# Altium PCB smoothieboard-alt.PcbDoc (part 3 of 3)
Units mm, origin at the board's own origin, x right, y up, seen from the top; angles counter-clockwise.
Board outline 129.67 x 105.03 mm, 4 copper layers (Top Layer, Layer 1, Layer 2, Bottom Layer), stack 1.876 mm thick; 360 components, 243 nets, 1161 pads, 133 vias.
Unrouted connection lines stored in the file: 613.
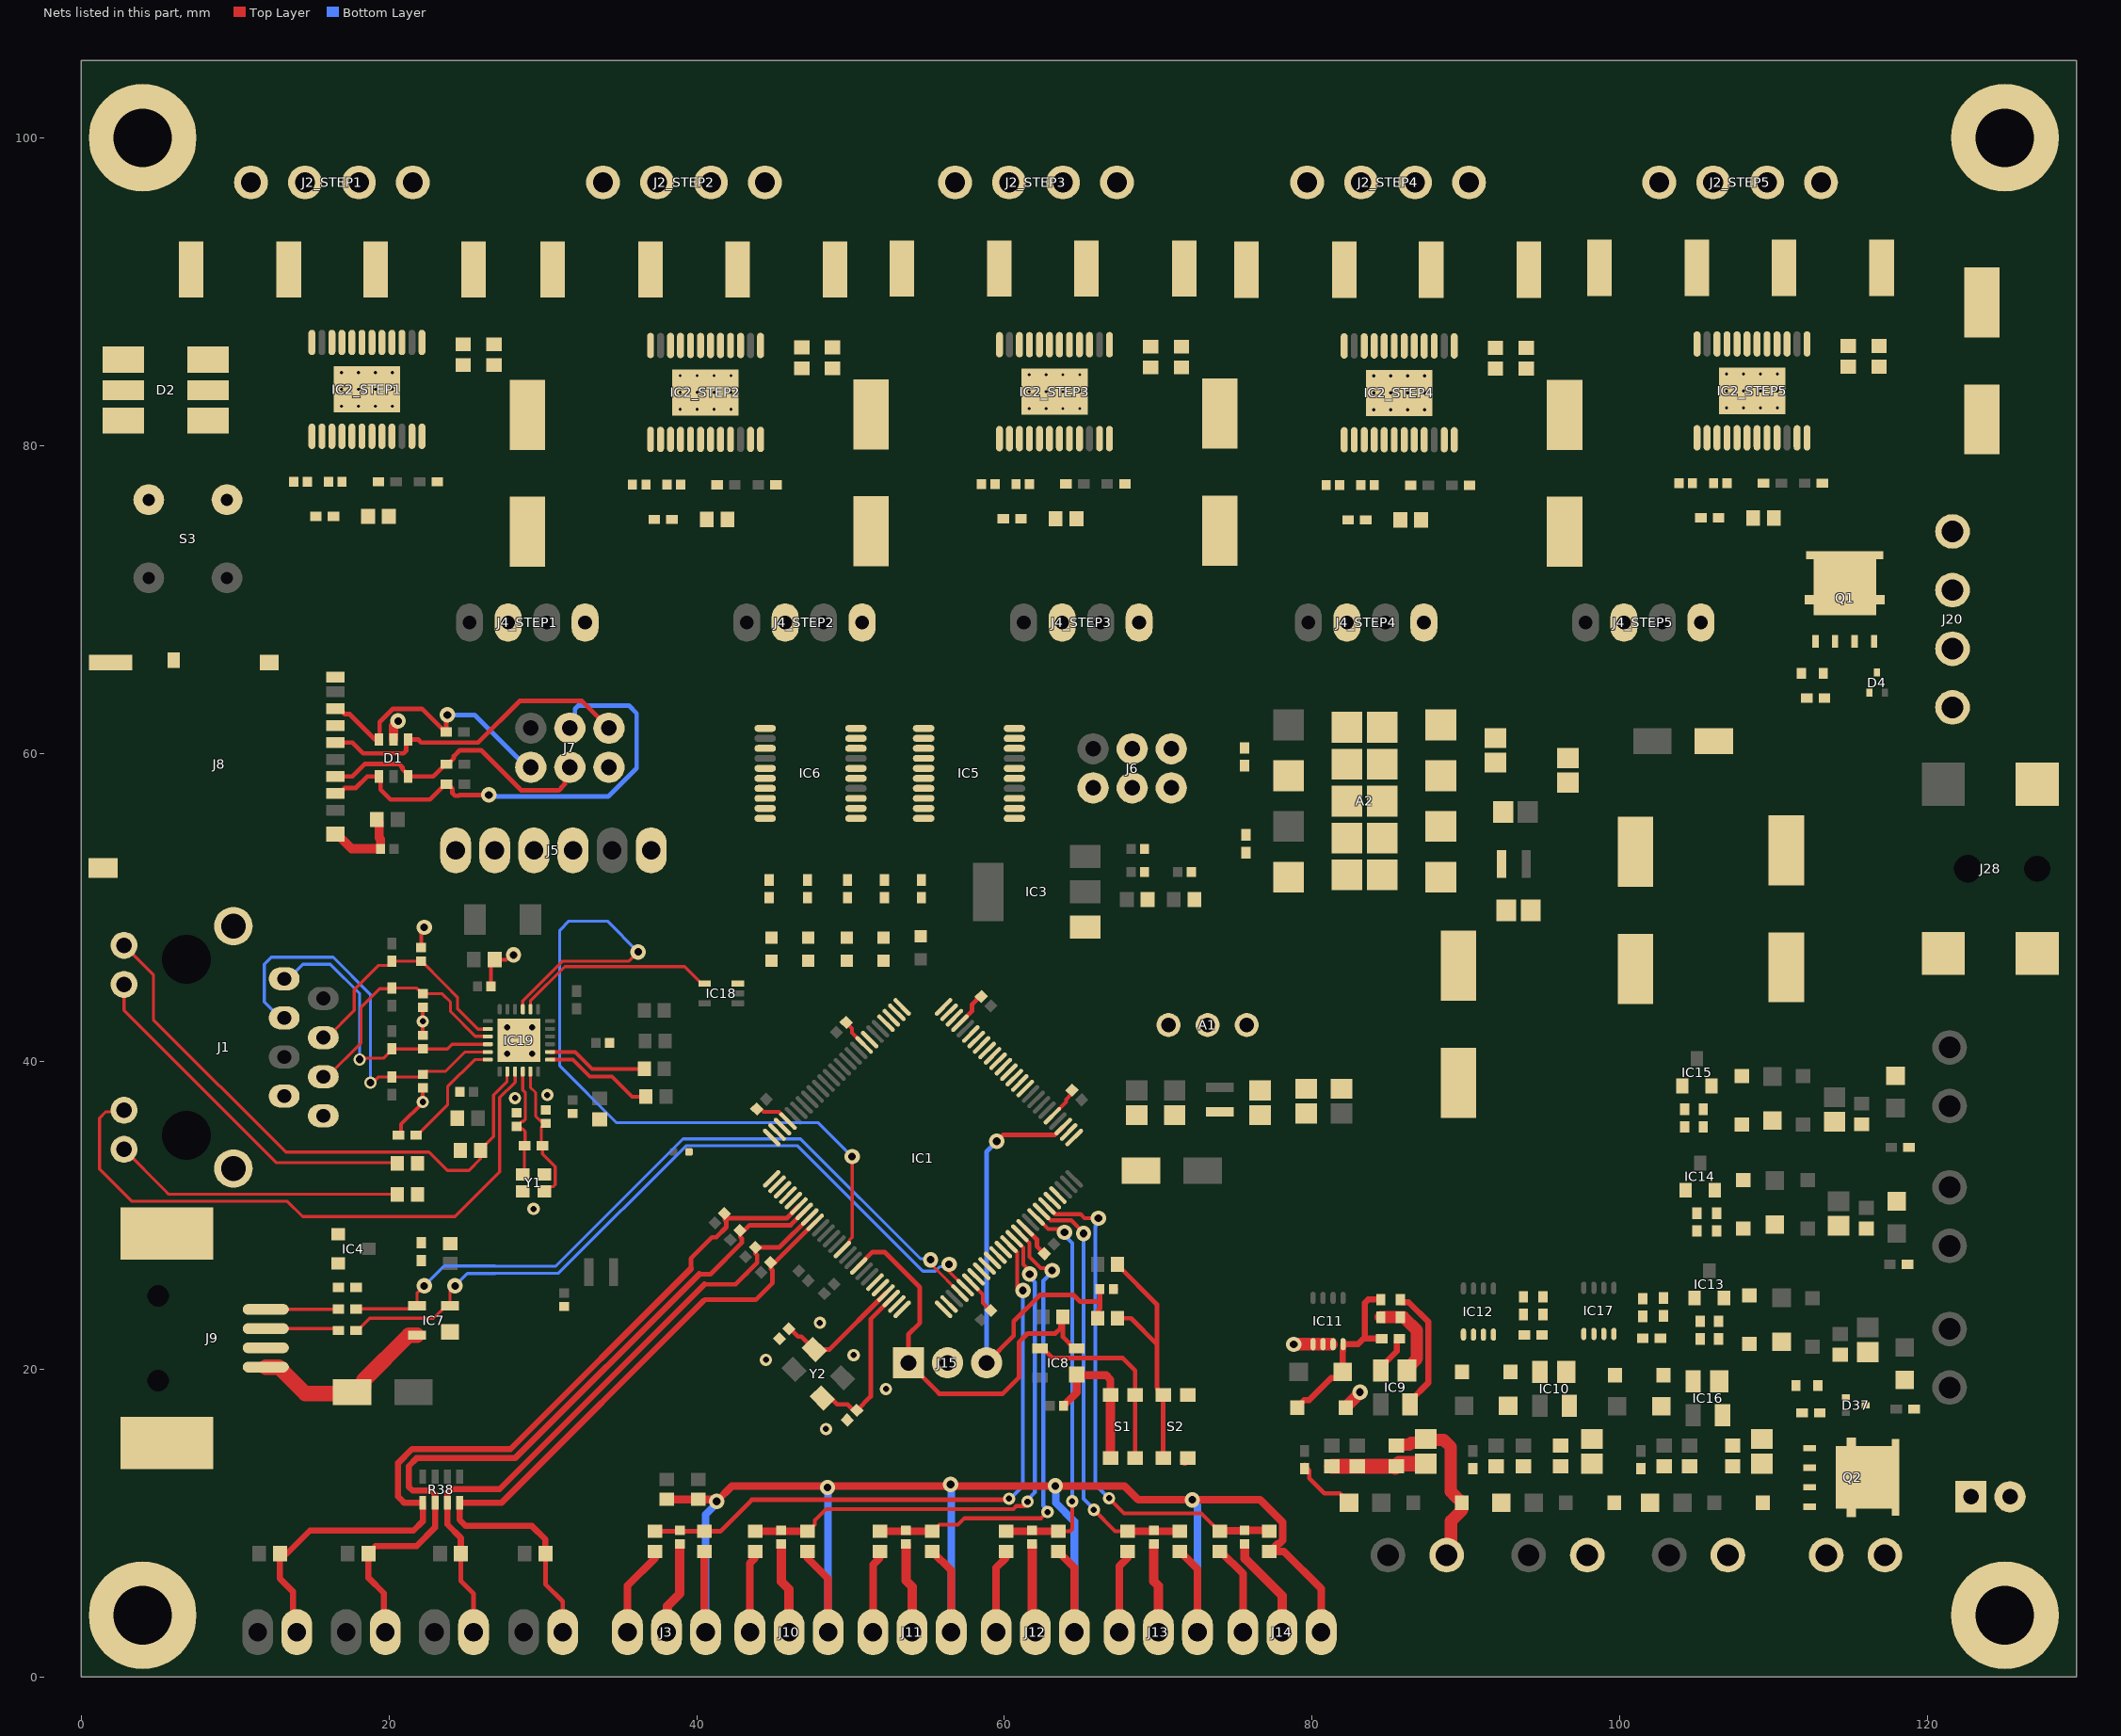
[diagram p4: the nets of this part, all layers, seen from the top]

## Via types
v1: diameter 0.5, hole 0.2, Top Layer to Bottom Layer, tented both sides, 60 vias
v2: diameter 1, hole 0.5, Top Layer to Bottom Layer, tented both sides, 45 vias
v3: diameter 0.8, hole 0.4, Top Layer to Bottom Layer, tented both sides, 26 vias
v4: diameter 0.8, hole 0.5, Top Layer to Bottom Layer, tented both sides, 2 vias

## Nets (pads, with @x,y where several pads share a name; then routed paths per layer and width w, separated by ;. In a path a pad name is that pad's centre, name@x,y a point inside that pad or via, vN(x,y) a via of type N, cw(c..) or ccw(c..) an arc to the next point about the centre after c; other vN are vias at no path point) (continued)
ISP_BOOT: C27.2 IC1.53 J15.3 R36.1 | length 31.3
  Top Layer w0.3: J15.3@58.84,20.4 60.6,22.16 60.6,23.1 62.3,24.8 64.5,24.8 64.925,24.375 66.2,24.375 ; v2(59.5,34.8) 59.92,35.22 63.291,35.22 IC1.53@63.822,35.751 ; R36.1@66.05,23.3 66.05,23.35 66.05,23.775 66.2,23.925 66.2,24.375 ; C27.2@66.2,25.2 66.2,25.18 66.2,24.375
  Bottom Layer w0.3: J15.3@58.84,20.4 58.84,34.116 59.5,34.776 v2(59.5,34.8)
JTAG-RTCK: IC1.100
JTAG-TCK: IC1.5
JTAG-TDI: IC1.2
JTAG-TDO: IC1.1
JTAG-TMS: IC1.3
JTAG-TRST: IC1.4
LED1: D2.4 D24.1 IC1.32
LED2: D2.6 D25.1 IC1.33
LED3: D26.1 IC1.34
LED4: D27.1 IC1.35
LIMITS.X_MAX: C21.2 IC1.39 R23.2 R24.1 | length 36.6
  Top Layer w0.25: R23.2@47.2,9.451 47.25,9.451 47.675,9.876 47.675,10.175 48.4,10.9 60.58,10.9 60.774,11.095 61.354,11.095 61.5,11.241 v3(61.5,11.375) ; IC1.39@60.64,28.467 60.64,28.459 61.216,27.883 61.216,26.786 61.636,26.367 v2(61.636,26.164)
  Top Layer w0.5: R24.1@43.8,9.451 45.5,9.451 46.725,9.451 R23.2@47.2,9.451
  Bottom Layer w0.25: v3(61.5,11.375) 61.5,11.521 61.975,11.996 61.975,25.622 61.636,25.961 v2(61.636,26.164)
LIMITS.X_MIN: C20.2 IC1.38 R21.2 R22.1 | length 41.4
  Top Layer w0.25: IC1.38@60.286,28.114 60.816,27.584 60.816,25.246 60.963,25.1 v2(61.2,25.1)
  Top Layer w0.3: R22.1@37.3,9.451 38.9,9.451 R21.2@40.5,9.451 41.538,9.451 43.587,11.5 60.225,11.5 v3(60.3,11.575)
  Bottom Layer w0.25: v3(60.3,11.575) 60.375,11.575 61.2,12.4 v2(61.2,25.1)
LIMITS.Y_MAX: C23.2 IC1.43 R27.2 R28.1 | length 26.1
  Top Layer w0.25: IC1.43@62.054,29.882 62.836,29.1 63.7,29.1 63.9,28.9 v2(63.9,28.883) ; R27.2@63.5,9.451 64.254,9.451 64.4,9.597 v3(64.4,11.4)
  Top Layer w0.5: R28.1@60.1,9.451 60.575,9.451 61.8,9.451 R27.2@63.5,9.451
  Bottom Layer w0.25: v2(63.9,28.883) 63.9,28.68 64.4,28.18 v3(64.4,11.4)
LIMITS.Y_MIN: C22.2 IC1.40 R25.2 R26.1 | length 31.1
  Top Layer w0.25: R25.2@55.3,9.451 55.35,9.451 55.775,9.876 56.976,9.876 57.4,10.3 62.379,10.3 62.779,10.7 v3(62.8,10.7) ; IC1.40@60.993,28.821 60.993,28.813 61.616,28.19 61.616,27.28 62.353,26.544 62.956,26.544 v2(63.1,26.4)
  Top Layer w0.5: R26.1@51.9,9.451 53.6,9.451 R25.2@55.3,9.451
  Bottom Layer w0.25: v3(62.8,10.7) 62.8,10.849 62.525,11.124 62.525,25.738 63.1,26.313 v2(63.1,26.4)
LIMITS.Z_MAX: C25.2 IC1.45 R31.2 R32.1 | length 33.7
  Top Layer w0.25: IC1.45@62.761,30.589 63.291,30.058 64.942,30.058 65.2,29.8 v2(66.1,29.8) ; v3(66.8,11.6) 67.778,10.622 72.778,10.622 73.95,9.45 R32.1@74,9.45
  Top Layer w0.5: R32.1@74,9.45 74.03,9.48 75.57,9.48 C25.2@75.6,9.51 77.14,9.51 R31.2@77.2,9.45
  Bottom Layer w0.25: v2(66.1,29.8) 65.956,29.656 65.956,29.322 65.913,29.279 65.913,12.487 v3(66.8,11.6)
LIMITS.Z_MIN: C24.2 IC1.44 R29.2 R30.1 | length 27.8
  Top Layer w0.25: IC1.44@62.407,30.235 62.416,30.235 62.992,29.658 64.342,29.658 65.138,28.862 v2(65.138,28.8) ; v3(65.8,10.85) 67.199,9.451 R30.1@68,9.451
  Top Layer w0.5: R30.1@68,9.451 69.62,9.451 69.63,9.461 C24.2@69.7,9.461 ; C24.2@69.7,9.451 R29.2@71.4,9.451
  Bottom Layer w0.25: v2(65.138,28.8) 65.138,11.571 65.8,10.909 v3(65.8,10.85)
MISO1: IC1.61 J6.4
MOSI1: IC1.60 J6.5
MS1: IC2_STEP1.5 IC2_STEP2.5 IC2_STEP3.5 IC2_STEP4.5 IC2_STEP5.5 R88.2
MS2: IC2_STEP1.6 IC2_STEP2.6 IC2_STEP3.6 IC2_STEP4.6 IC2_STEP5.6 R89.2
NetA1_1: A1.1 C80.2 L3.2
NetA1_3: A1.3 C72.2 D22.1
NetA2_2: A2.2 R79.2
NetA2_4: A2.4 R53.2
NetA2_5: A2.5 C81.2 L2.1
NetC8_1: C8.1 IC1.22 Y2.3 | length 8.6
  Top Layer w0.3: C8.1@46,22.6 46.102,22.6 46.595,22.106 46.802,22.106 Y2.3@47.723,21.185 ; Y2.3@47.635,21.273 Y2.3@47.723,21.185 ; IC1.22@52.296,24.932 48.637,21.273 48.342,21.273 48.254,21.185 Y2.3@47.723,21.185
NetC9_1: C9.1 IC1.23 Y2.1 | length 10.8
  Top Layer w0.3: Y2.1@48.165,18.127 48.695,18.127 49.122,17.7 49.81,17.7 50.199,17.311 C9.1@50.411,17.311 51.311,18.211 51.311,23.24 IC1.23@52.649,24.578
NetC13_STEP1_1: C13_STEP1.1 IC2_STEP1.3
NetC13_STEP2_1: C13_STEP2.1 IC2_STEP2.3
NetC13_STEP3_1: C13_STEP3.1 IC2_STEP3.3
NetC13_STEP4_1: C13_STEP4.1 IC2_STEP4.3
NetC13_STEP5_1: C13_STEP5.1 IC2_STEP5.3
NetC14_STEP1_2: C14_STEP1.2 IC2_STEP1.4
NetC14_STEP2_2: C14_STEP2.2 IC2_STEP2.4
NetC14_STEP3_2: C14_STEP3.2 IC2_STEP3.4
NetC14_STEP4_2: C14_STEP4.2 IC2_STEP4.4
NetC14_STEP5_2: C14_STEP5.2 IC2_STEP5.4
NetC15_STEP1_1: C15_STEP1.1 IC2_STEP1.2
NetC15_STEP1_2: C15_STEP1.2 IC2_STEP1.1
NetC15_STEP2_1: C15_STEP2.1 IC2_STEP2.2
NetC15_STEP2_2: C15_STEP2.2 IC2_STEP2.1
NetC15_STEP3_1: C15_STEP3.1 IC2_STEP3.2
NetC15_STEP3_2: C15_STEP3.2 IC2_STEP3.1
NetC15_STEP4_1: C15_STEP4.1 IC2_STEP4.2
NetC15_STEP4_2: C15_STEP4.2 IC2_STEP4.1
NetC15_STEP5_1: C15_STEP5.1 IC2_STEP5.2
NetC15_STEP5_2: C15_STEP5.2 IC2_STEP5.1
NetC42_1: C42.1 IC19.5 R81.2 Y1.1 | length 9.3
  Top Layer w0.2: IC19.5@29.2,39.325 29.2,38.3 29.538,37.962 29.538,36.428 29.876,36.09 29.95,36.09 30.08,35.96 C42.1@30.18,35.96 ; R81.2@29.975,34.5 R81.2@29.983,34.492 ; Y1.1@30.1,31.55 30.4,31.85 30.683,31.85 30.8,31.967 30.8,33.154 29.983,33.971 R81.2@29.983,34.492 ; C42.1@30.2,35.96 C42.1@30.18,35.96 ; R81.2@29.983,34.492 29.9,34.575 29.9,35.68 C42.1@30.18,35.96
NetC43_1: C43.1 IC19.4 R81.1 Y1.3 | length 7.3
  Top Layer w0.2: C43.1@28.3,35.76 28.32,35.76 28.42,35.86 28.65,36.09 28.724,36.09 28.87,36.236 28.87,37.949 28.7,38.119 IC19.4@28.7,39.325 ; C43.1@28.468,35.813 28.85,35.43 28.85,34.525 R81.1@28.8,34.475 ; Y1.3@28.7,32.65 28.8,32.75 R81.1@28.8,34.475 ; R81.1@28.825,34.5 R81.1@28.8,34.475
NetD2_1: D2.1 R75.2
NetD2_2: D2.2 R76.2
NetD2_3: D2.3 R77.2
NetD3_1: D3.1 D19.2 IC17.4 R64.2 R68.2
NetD4_1: D4.1 Q1.4 R52.2
NetD8_1: D8.1 R69.2 | length 4.2
  Top Layer w0.3: R69.2@79.502,13.776 79.502,13.701 79.802,13.401 79.802,12.908 80.791,11.919 81.789,11.919 D8.1@82.389,11.319
NetD9_1: D9.1 R70.2
NetD10_1: D10.1 R71.2
NetD11_1: D11.1 R72.2
NetD12_1: D12.1 R73.2
NetD13_1: D13.1 R74.2
NetD17_1: D17.1 D20.2 IC12.4 R55.2 R67.2
NetD18_1: D18.1 D23.2 IC11.4 R54.2 R66.2 | length 11.9
  Top Layer w0.4: D23.2@79.025,17.5 79.025,17.525 79.475,17.975 79.791,17.975 81.223,19.408 81.574,19.408 D18.1@81.974,19.808 81.974,21.187 82.001,21.214 IC11.4@82.001,21.614 82.97,21.614 83.327,21.971 ; R66.2@84.455,24.511 83.634,24.511 83.4,24.277 83.4,22.044 83.327,21.971 ; R54.2@84.515,21.971 83.327,21.971
NetD24_2: D24.2 R84.2
NetD25_2: D25.2 R85.2
NetD26_2: D26.2 R86.2
NetD27_2: D27.2 R87.2
NetD28_2: D28.2 R78.2
NetD31_1: D31.1 D34.2 IC13.1 R56.2 R61.2
NetD32_1: D32.1 D35.2 IC14.1 R57.2 R62.2
NetD33_1: D33.1 D36.2 IC15.1 R58.2 R63.2
NetD37_1: D37.1 Q2.4 R90.2
NetIC2_STEP1_7: IC2_STEP1.7 R3_STEP1.1
NetIC2_STEP1_8: IC2_STEP1.8 R5_STEP1.1
NetIC2_STEP1_9: IC2_STEP1.9 R4_STEP1.1
NetIC2_STEP1_17: IC2_STEP1.17 R1_STEP1.1
NetIC2_STEP1_20: IC2_STEP1.20 R2_STEP1.1
NetIC2_STEP2_7: IC2_STEP2.7 R3_STEP2.1
NetIC2_STEP2_8: IC2_STEP2.8 R5_STEP2.1
NetIC2_STEP2_9: IC2_STEP2.9 R4_STEP2.1
NetIC2_STEP2_17: IC2_STEP2.17 R1_STEP2.1
NetIC2_STEP2_20: IC2_STEP2.20 R2_STEP2.1
NetIC2_STEP3_7: IC2_STEP3.7 R3_STEP3.1
NetIC2_STEP3_8: IC2_STEP3.8 R5_STEP3.1
NetIC2_STEP3_9: IC2_STEP3.9 R4_STEP3.1
NetIC2_STEP3_17: IC2_STEP3.17 R1_STEP3.1
NetIC2_STEP3_20: IC2_STEP3.20 R2_STEP3.1
NetIC2_STEP4_7: IC2_STEP4.7 R3_STEP4.1
NetIC2_STEP4_8: IC2_STEP4.8 R5_STEP4.1
NetIC2_STEP4_9: IC2_STEP4.9 R4_STEP4.1
NetIC2_STEP4_17: IC2_STEP4.17 R1_STEP4.1
NetIC2_STEP4_20: IC2_STEP4.20 R2_STEP4.1
NetIC2_STEP5_7: IC2_STEP5.7 R3_STEP5.1
NetIC2_STEP5_8: IC2_STEP5.8 R5_STEP5.1
NetIC2_STEP5_9: IC2_STEP5.9 R4_STEP5.1
NetIC2_STEP5_17: IC2_STEP5.17 R1_STEP5.1
NetIC2_STEP5_20: IC2_STEP5.20 R2_STEP5.1
NetIC4_1: IC4.1 R14.2 R15.1
NetIC4_2: IC4.2 R35.2
NetIC5_1: IC5.1 IC5.10 IC5.11 IC5.20 R11.1
NetIC5_15: IC5.15 R8.1
NetIC6_1: IC6.1 IC6.10 IC6.11 IC6.20 R12.1
NetIC6_15: IC6.15 R13.1
NetIC8_3: IC8.3 S1.1 S1.2 | length 12.5
  Top Layer w0.3: IC8.3@62.3,21.35 62.475,21.35 63.1,20.725 67.667,20.725 68.491,19.901 S1.1@68.491,18.306 S1.2@68.491,14.206
NetIC9_2: IC9.2 R54.1 | length 2.6
  Top Layer w0.4: IC9.2@84.45,19.9 84.45,20.12 85.49,21.16 85.49,21.871 85.59,21.971 R54.1@85.665,21.971
NetIC10_2: IC10.2 R55.1
NetIC16_2: IC16.2 R64.1
NetIC19_2: IC19.2 J1.9 R49.1 | length 37.6
  Top Layer w0.2: J1.9@2.79,47.53 4.7,45.62 4.7,42.7 13.3,34.1 22.6,34.1 23.8,32.9 25.2,32.9 25.95,33.65 R49.1@25.95,34.2 25.95,34.25 26.8,35.1 26.8,37.8 27.679,38.679 27.679,39.304 IC19.2@27.7,39.325
NetIC19_3: IC19.3 J1.11 | length 40.5
  Top Layer w0.2: J1.11@2.79,36.81 2.695,36.715 1.615,36.715 1.2,36.3 1.2,33 3.304,30.896 13.404,30.896 14.4,29.9 24.3,29.9 27.2,32.8 27.2,37.634 28.2,38.634 IC19.3@28.2,39.325
NetIC19_24: IC19.24 R48.2 | length 7.4
  Top Layer w0.2: R48.2@21.775,35.2 21.85,35.2 23.815,37.165 23.815,38.335 25.581,40.1 IC19.24@26.425,40.1
NetJ1_10: J1.10 R80.1 | length 23.6
  Top Layer w0.2: J1.10@2.79,44.99 2.79,43.31 12.7,33.4 20.5,33.4 R80.1@20.55,33.35
NetJ1_12: J1.12 R51.1 | length 19
  Top Layer w0.2: J1.12@2.79,34.27 5.46,31.6 5.71,31.35 R51.1@20.55,31.35
NetJ3_3: J3.3 R22.2 | length 6
  Top Layer w0.5: J3.3@35.5,2.9 35.5,5.926 37.3,7.726 R22.2@37.3,8.151
NetJ5_3: J5.3 R82.2 R83.2
NetJ10_3: J10.3 R24.2 | length 5.4
  Top Layer w0.5: J10.3@43.46,2.9 43.46,7.386 43.8,7.726 R24.2@43.8,8.151
NetJ11_3: J11.3 R26.2 | length 5.4
  Top Layer w0.5: J11.3@51.46,2.9 51.46,7.286 51.9,7.726 R26.2@51.9,8.151
NetJ12_3: J12.3 R28.2 | length 5.5
  Top Layer w0.5: J12.3@59.46,2.9 59.46,7.086 60.1,7.726 R28.2@60.1,8.151
NetJ13_3: J13.3 R30.2 | length 5.5
  Top Layer w0.5: J13.3@67.46,2.9 67.46,7.186 68,7.726 R30.2@68,8.151
NetJ14_3: J14.3 R32.2 | length 5.9
  Top Layer w0.5: R32.2@74,8.15 74.05,8.15 75.5,6.7 J14.3@75.5,2.9
NetJ29_1: J29.1 Q2.5
NetR34_2: R34.2 R36.2 S2.3 S2.4 | length 17.1
  Top Layer w0.3: R36.2@67.35,23.3 68.225,23.3 69.9,21.625 ; R34.2@67.35,26.8 67.35,26.75 69.9,24.2 69.9,21.625 ; S2.4@70.32,14.206 70.32,17.356 S2.3@70.32,18.306 70.27,18.306 69.97,18.606 69.97,18.712 69.9,18.782 69.9,21.625
NetR37_2: R37.2 R50.2 S3.2
OUT1A_STEP1: C84_STEP1.1 D39_STEP1.1 IC2_STEP1.18 J2_STEP1.3
OUT1A_STEP2: C84_STEP2.1 D39_STEP2.1 IC2_STEP2.18 J2_STEP2.3
OUT1A_STEP3: C84_STEP3.1 D39_STEP3.1 IC2_STEP3.18 J2_STEP3.3
OUT1A_STEP4: C84_STEP4.1 D39_STEP4.1 IC2_STEP4.18 J2_STEP4.3
OUT1A_STEP5: C84_STEP5.1 D39_STEP5.1 IC2_STEP5.18 J2_STEP5.3
OUT1B_STEP1: C84_STEP1.2 D39_STEP1.2 IC2_STEP1.15 J2_STEP1.4
OUT1B_STEP2: C84_STEP2.2 D39_STEP2.2 IC2_STEP2.15 J2_STEP2.4
OUT1B_STEP3: C84_STEP3.2 D39_STEP3.2 IC2_STEP3.15 J2_STEP3.4
OUT1B_STEP4: C84_STEP4.2 D39_STEP4.2 IC2_STEP4.15 J2_STEP4.4
OUT1B_STEP5: C84_STEP5.2 D39_STEP5.2 IC2_STEP5.15 J2_STEP5.4
OUT2A_STEP1: C85_STEP1.2 D40_STEP1.2 IC2_STEP1.19 J2_STEP1.2
OUT2A_STEP2: C85_STEP2.2 D40_STEP2.2 IC2_STEP2.19 J2_STEP2.2
OUT2A_STEP3: C85_STEP3.2 D40_STEP3.2 IC2_STEP3.19 J2_STEP3.2
OUT2A_STEP4: C85_STEP4.2 D40_STEP4.2 IC2_STEP4.19 J2_STEP4.2
OUT2A_STEP5: C85_STEP5.2 D40_STEP5.2 IC2_STEP5.19 J2_STEP5.2
OUT2B_STEP1: C85_STEP1.1 D40_STEP1.1 IC2_STEP1.22 J2_STEP1.1
OUT2B_STEP2: C85_STEP2.1 D40_STEP2.1 IC2_STEP2.22 J2_STEP2.1
OUT2B_STEP3: C85_STEP3.1 D40_STEP3.1 IC2_STEP3.22 J2_STEP3.1
OUT2B_STEP4: C85_STEP4.1 D40_STEP4.1 IC2_STEP4.22 J2_STEP4.1
OUT2B_STEP5: C85_STEP5.1 D40_STEP5.1 IC2_STEP5.22 J2_STEP5.1
P1.22: IC1.36 IC16.4 J27.6 R65.2
P1.23: IC1.37 J27.7 R58.1
P1.30: IC1.21 J27.8
P1.31: IC1.20 J27.9
P2.6: IC1.67 J27.3 R56.1
P2.7: IC1.66 IC10.4 J27.4 R60.2
P2.9: IC1.64 J27.5 R15.2
PGND: A1.2 A2.6 A2.7 A2.9 A2.10 A2.11 A2.12 A2.13 A2.14 A2.15 A2.16 A2.17 A2.18 C10_STEP1.1 C10_STEP2.1 C10_STEP3.1 C10_STEP4.1 C10_STEP5.1 C11_STEP1.1 C11_STEP2.1 C11_STEP3.1 C11_STEP4.1 C11_STEP5.1 C12_STEP1.2 C12_STEP2.2 C12_STEP3.2 C12_STEP4.2 C12_STEP5.2 C28.2 C51.2 C52.1 C54.1 C55.1 C56.1 C57.1 C58.1 C59.1 C60.1 C61.1 C62.1 C63.1 C64.1 C65.1 C66.1 C67.1 C68.1 C69.1 C70.1 C71.1 C72.1 C73.1 C80.1 C81.1 C82.1 C83.2 C86.1 C87.1 C88.1 D6.1 D19.1 D20.1 D23.1 D34.1 D35.1 D36.1 D38.1 H1.1 H2.1 H3.1 H4.1 IC2_STEP1.13 IC2_STEP1.24 IC2_STEP1.25 IC2_STEP2.13 IC2_STEP2.24 IC2_STEP2.25 IC2_STEP3.13 IC2_STEP3.24 IC2_STEP3.25 IC2_STEP4.13 IC2_STEP4.24 IC2_STEP4.25 IC2_STEP5.13 IC2_STEP5.24 IC2_STEP5.25 IC9.1 IC10.1 IC11.1 IC11.2 IC11.3 IC12.1 IC12.2 IC12.3 IC13.2 IC14.2 IC15.2 IC16.1 IC17.1 IC17.2 IC17.3 J4_STEP1.4 J4_STEP2.4 J4_STEP3.4 J4_STEP4.4 J4_STEP5.4 J20.2 J20.3 J28.2 J29.2 NT2.2 R1_STEP1.2 R1_STEP2.2 R1_STEP3.2 R1_STEP4.2 R1_STEP5.2 R2_STEP1.2 R2_STEP2.2 R2_STEP3.2 R2_STEP4.2 R2_STEP5.2 R52.1 R53.1 R59.1 R60.1 R61.1 R62.1 R63.1 R65.1 R66.1 R67.1 R68.1 R79.1 R90.1 | length 15.6
  Top Layer w0.8: v2(78.8,21.6) 78.814,21.614 IC11.1@80.051,21.614 IC11.2@80.701,21.614 81.237,21.614 IC11.3@81.251,21.6 ; D23.1@82.175,17.5 82.175,17.525 83.1,18.45 v2(83.1,18.5) ; R66.1@84.455,23.361 85.939,23.361 86.8,22.5 86.8,20.67 86.35,20.22 86.35,20.1 IC9.1@86.15,19.9
  Top Layer w1: C61.1@81.28,13.676 C88.1@82.931,13.676 85.349,13.676 85.385,13.64 85.421,13.676 C55.1@85.471,13.676 85.646,13.851 C69.1@87.376,13.851
  other v1: 84,82.325 85.1,82.325 86.2,82.325 87.3,82.325 38.925,82.35 40.025,82.35 41.125,82.35 42.225,82.35 61.6,82.4 62.7,82.4 63.8,82.4 64.9,82.4 106.925,82.45 108.025,82.45 109.125,82.45 110.225,82.45 16.925,82.55 18.025,82.55 19.125,82.55 20.225,82.55 84,83.425 85.1,83.425 86.2,83.425 87.3,83.425 38.925,83.45 40.025,83.45 41.125,83.45 42.225,83.45 61.6,83.5 62.7,83.5 63.8,83.5 64.9,83.5 106.925,83.55 108.025,83.55 109.125,83.55 110.225,83.55 16.925,83.65 18.025,83.65 19.125,83.65 20.225,83.65 84,84.525 85.1,84.525 86.2,84.525 87.3,84.525 38.925,84.55 40.025,84.55 41.125,84.55 42.225,84.55 61.6,84.6 62.7,84.6 63.8,84.6 64.9,84.6 106.925,84.65 108.025,84.65 109.125,84.65 110.225,84.65 16.925,84.75 18.025,84.75 19.125,84.75 20.225,84.75
PLAY_BTN: C7.2 IC1.51 R50.1
PLAY_LED: D2.5 IC1.82
PWM0: IC1.69 J27.1 R57.1
PWM1: IC1.68 IC9.4 J27.2 R59.2 | length 8.3
  Top Layer w0.4: R59.2@85.725,24.511 85.725,24.436 85.825,24.336 86.264,24.336 87.55,23.05 87.55,19.12 86.35,17.92 IC9.4@86.35,17.7
REF0: IC2_STEP1.12 IC5.12
REF1: IC2_STEP2.12 IC5.9
REF2: IC2_STEP3.12 IC5.19
REF3: IC2_STEP4.12 IC5.2
REF4: IC2_STEP5.12 IC6.12
REFCLK: IC18.4 IC19.14 | length 13.2
  Top Layer w0.2: IC19.14@29.2,43.375 29.2,43.915 31.435,46.15 39.225,46.15 40.325,45.05 IC18.4@40.525,45.05
RESET: IC1.17 IC8.2 J15.1 R33.1 | length 27.5
  Top Layer w0.3: IC1.17@50.528,26.7 51.428,27.6 52.2,27.6 54.5,25.3 54.5,23 53.76,22.26 J15.1@53.76,20.4 54.626,19.534 55.76,18.4 59.888,18.4 60.938,19.45 60.938,21.738 61.5,22.3 63.3,22.3 63.651,22.651 63.651,23.251 R33.1@63.8,23.4 ; R33.1@63.8,23.251 63.8,22.651 63.8,22.075 64.525,21.35 IC8.2@64.7,21.35
RSTOUT: IC1.14 IC19.15 | length 52.1
  Top Layer w0.2: IC19.15@28.7,43.375 28.7,43.91 31.29,46.5 35.6,46.5 v2(36.2,47.1) ; IC1.14@49.467,27.76 49.914,28.207 49.914,28.363 50.1,28.548 v2(50.1,33.8)
  Bottom Layer w0.2: v2(36.2,47.1) 34.2,49.1 31.7,49.1 31.1,48.5 31.1,39.7 34.8,36 47.9,36 v2(50.1,33.8)
RTS: J5.6
RX_0: IC1.99 J5.4
RX_N: C38.2 IC19.22 J1.1 R44.1 | length 19.1
  Top Layer w0.2: v4(18.1,40.115) 18.185,40.2 19.675,40.2 20.2,40.725 R44.1@20.2,40.8 C38.2@22.2,40.8 23.8,40.8 24.1,41.1 IC19.22@26.425,41.1
  Bottom Layer w0.2: J1.1@13.2,45.345 13.45,45.345 14.405,46.3 16.2,46.3 18.1,44.4 v4(18.1,40.115)
RX_P: C39.2 IC19.23 J1.3 R45.1 | length 26.5
  Top Layer w0.2: v4(18.8,38.6) 18.962,38.6 19.337,38.975 R45.1@20.2,38.975 22.035,38.975 22.4,39.34 23.69,39.34 24.95,40.6 IC19.23@26.425,40.6
  Bottom Layer w0.2: J1.3@13.2,42.805 12.95,42.805 11.9,43.855 11.9,46.3 12.354,46.754 16.388,46.754 18.8,44.342 v4(18.8,38.6)
RXD0: IC19.8 R40.1 | length 6.6
  Top Layer w0.25: IC19.8@30.475,40.6 32.1,40.6 33.2,39.5 R40.1@36.6,39.5
RXD1: IC19.7 R41.1 | length 7.2
  Top Layer w0.25: IC19.7@30.475,40.1 31.964,40.1 33.064,39 34.5,39 35.8,37.7 R41.1@36.7,37.7
SCK1: IC1.62 J6.3
SCL0: IC1.24
SCL1: IC1.47 IC5.5 IC6.5 R10.1
SD_CD: IC1.52
SD_CDA: J8.10
SD_CDB: J8.9
SD_CS: D1.4 IC1.79 J7.2 J8.2 R16.2 | length 32
  Top Layer w0.3: J8.2@16.525,57.4 16.775,57.4 17.125,57.75 17.85,57.75 18.6,58.5 D1.4@19.35,58.5 19.46,58.39 19.46,57.65 20.11,57 22.675,57 23.675,58 R16.2@23.75,58 23.825,58 24.125,57.7 24.125,57.425 24.301,57.249 24.549,57.249 24.6,57.3 v2(26.5,57.3)
  Bottom Layer w0.3: v2(26.5,57.3) 26.6,57.2 34.261,57.2 36.1,59.039 36.1,62.6 35.6,63.1 32.3,63.1 32.091,62.891 32.091,61.971 J7.2@31.76,61.64
SD_IRQ: IC1.27
SD_MISO: D1.3 IC1.77 J7.4 J8.7 R18.2 | length 18.1
  Top Layer w0.3: J8.7@16.525,62.9 16.775,62.9 17.125,62.55 17.45,62.55 19.1,60.9 D1.3@19.35,60.9 19.399,60.949 19.399,62.03 20.269,62.9 22.15,62.9 23.65,61.4 R18.2@23.725,61.4 23.725,62.425 v2(23.8,62.5)
  Bottom Layer w0.3: v2(23.8,62.5) 25.566,62.5 28.966,59.1 J7.4@29.22,59.1
SD_MOSI: D1.6 IC1.76 J7.5 J8.3 R17.2 | length 19
  Top Layer w0.3: J8.3@16.525,58.5 17.631,58.5 18.431,59.3 20.674,59.3 20.875,59.099 20.875,59 D1.6@21.25,58.625 ; D1.6@21.25,58.5 D1.6@21.25,58.625 ; J7.5@31.76,59.1 31.429,58.769 31.429,58.004 31.226,57.802 31.226,57.776 31.051,57.6 28.6,57.6 26,60.2 24.6,60.2 24.225,59.825 24.225,59.7 23.825,59.3 R17.2@23.75,59.3 23.675,59.3 22.875,58.5 21.375,58.5 D1.6@21.25,58.625
SD_SCK: D1.1 IC1.78 J7.3 J8.5 | length 20.7
  Top Layer w0.3: J8.5@16.525,60.7 17.631,60.7 18.331,60 20.949,60 21.125,60.176 21.125,60.775 D1.1@21.25,60.9 21.9,60.9 22.1,60.7 25.8,60.7 28.5,63.4 32.54,63.4 J7.3@34.3,61.64
SD_WP: IC1.26
SDA0: IC1.25
SDA1: IC1.46 IC5.6 IC6.6 R9.1
SGND: C1.1 C2.1 C3.1 C4.1 C5.1 C7.1 C8.2 C9.2 C14_STEP1.1 C14_STEP2.1 C14_STEP3.1 C14_STEP4.1 C14_STEP5.1 C16.1 C17.1 C18.1 C19.1 C20.1 C21.1 C22.1 C23.1 C24.1 C25.1 C26.1 C27.1 C38.1 C39.1 C40.1 C41.1 C42.2 C43.2 C44.1 C45.1 C46.1 C47.1 C48.1 C49.1 C50.1 C53.1 C74.1 C75.1 C76.1 C77.1 C78.1 C79.1 D1.2 IC1.31 IC1.41 IC1.55 IC1.72 IC1.83 IC1.97 IC3.1 IC5.3 IC5.4 IC5.7 IC5.8 IC5.13 IC5.16 IC5.18 IC6.3 IC6.7 IC6.8 IC6.13 IC6.16 IC6.18 IC7.1 IC8.1 IC18.3 IC19.25 J1.7 J1.8 J1.S J3.2 J5.1 J6.6 J7.6 J8.6 J8.S J9.4 J9.S J10.2 J11.2 J12.2 J13.2 J14.2 J15.2 J27.10 NT1.2 NT2.1 R5_STEP1.2 R5_STEP2.2 R5_STEP3.2 R5_STEP4.2 R5_STEP5.2 R48.1 R49.2 R51.2 R75.1 R76.1 R77.1 R78.1 R80.2 R84.1 R85.1 R86.1 R87.1 S1.3 S1.4 S2.1 S2.2 S3.1 Y1.2 Y1.4 | length 80.8
  Top Layer w0.25: R48.1@20.625,35.2 20.8,35.375 20.8,35.9 22.2,37.3 v3(22.2,37.35) 22.21,37.36 22.21,38.25 C39.1@22.22,38.26 ; C40.1@22.1,47.38 22.1,48.4 22.3,48.6 v2(22.3,48.7) ; C38.1@22.2,41.68 C41.1@22.2,43.5 ; C47.1@26.64,44.85 26.64,46.365 C50.1@26.875,46.6 27.607,46.6 27.907,46.9 v2(28.1,46.9) ; C2.1@43.9,36.9 44.147,36.9 44.347,36.7 45.336,36.7 IC1.97@45.932,36.104 ; C1.1@49.711,42.511 50.1,42.122 50.1,41.836 IC1.83@50.882,41.054 ; IC1.31@57.811,25.639 58.6,24.85 58.6,24.3 59.089,23.811 C53.1@59.111,23.811 ; IC1.55@63.115,36.458 63.115,36.466 64,37.351 64,37.5 64.389,37.889 C4.1@64.389,38.111
  Top Layer w0.3: IC1.72@57.104,42.468 57.9,43.264 57.9,43.7 58.411,44.211 C75.1@58.489,44.211 ; IC1.41@61.347,29.175 62.1,28.421 62.1,27.978 C3.1@62.589,27.489
  Top Layer w0.5: C26.1@63.84,17.6 63.84,17.62 64.7,18.48 IC8.1@64.7,19.65 64.9,19.65 64.95,19.6 66.598,19.6 66.891,19.307 S1.3@66.891,18.306
  Top Layer w0.6: J8.S@16.525,54.75 16.625,54.75 17.575,53.8 C19.1@19.46,53.8 19.46,54.42 19.375,54.505 19.375,55.55 C18.1@19.225,55.7 ; D1.2@20.3,60.9 20.3,61.8 v2(20.6,62.1) ; J3.2@38.04,2.9 38.1,2.96 38.1,4.6 38.9,5.4 C20.1@38.9,8.631 ; C21.1@45.5,8.631 45.5,6.194 46,5.694 J10.2@46,2.9 ; C22.1@53.6,8.631 53.6,6.255 54,5.855 J11.2@54,2.9 ; C23.1@61.8,8.631 61.8,3.1 J12.2@62,2.9 ; S1.4@66.891,14.206 66.891,18.292 S1.4@66.891,14.22 ; C27.1@67.08,25.18 C27.1@67.08,25.2 ; C24.1@69.7,8.631 69.7,6.205 70,5.905 J13.2@70,2.9 ; S2.2@71.72,14.02 71.72,14.056 71.87,14.206 S2.2@71.92,14.206 ; C25.1@75.6,8.63 75.62,8.63 75.62,7.68 78.04,5.26 J14.2@78.04,2.9
  other v3: 48.4,16.1 52.3,18.7 44.5,20.6 50.2,20.9 48,23 29.4,30.4 28.2,37.6 30.3,37.8 27.7,40.5 29.3,40.5 27.7,42.2 29.3,42.2 22.2,42.59
SSEL1: IC1.63 J6.2
STP0: IC1.75 IC2_STEP1.11 J4_STEP1.2
STP1: IC1.74 IC2_STEP2.11 J4_STEP2.2
STP2: IC1.73 IC2_STEP3.11 J4_STEP3.2
STP3: IC1.70 IC2_STEP4.11 J4_STEP4.2
STP4: IC1.65 IC2_STEP5.11 J4_STEP5.2
TH0: C30.2 C31.2 IC1.9 J16.1 R38.4 | length 45.3
  Top Layer w0.3: C30.2@30.175,8 30.175,6.025 31.3,4.9 J16.1@31.3,2.9 ; 40.412,24.4 40.512,24.5 43.831,24.5 44.927,25.596 44.927,26.399 44.825,26.501 C31.2@44.825,26.897 ; IC1.9@47.7,29.528 45.069,26.897 C31.2@44.825,26.897 ; C31.2@44.825,26.897 C31.2@44.811,26.911 C31.2@44.825,26.897
  Top Layer w0.4: C30.2@30.175,8 30.175,8.925 29.3,9.8 25,9.8 24.6,10.2 R38.4@24.6,11.3 27.312,11.3 40.412,24.4
TH1: C32.2 C33.2 IC1.8 J17.1 R38.3 | length 41.5
  Top Layer w0.3: C32.2@24.675,8 24.675,6.225 25.5,5.4 J17.1@25.5,2.9 ; 40.5,25.5 42.531,25.5 43.229,26.198 43.229,26.206 43.927,26.904 43.927,27.399 43.825,27.501 C33.2@43.825,27.897 ; C33.2@43.811,27.911 C33.2@43.825,27.897 ; IC1.8@47.346,29.882 45.361,27.897 C33.2@43.825,27.897
  Top Layer w0.4: C32.2@24.675,8 24.675,9.025 23.8,9.9 R38.3@23.8,11.3 23.8,11.966 24.034,12.2 27.2,12.2 40.5,25.5
TH2: C34.2 C35.2 IC1.7 J18.1 R38.2 | length 49.2
  Top Layer w0.3: 40.16,26.16 40.891,26.16 42.927,28.196 42.927,28.499 42.825,28.601 C35.2@42.825,28.861 ; C35.2@42.811,29.011 42.961,28.861 43.447,29.347 46.104,29.347 IC1.7@46.993,30.235
  Top Layer w0.4: J18.1@19.77,2.9 19.77,2.924 19.669,3.025 19.669,5.431 18.675,6.425 C34.2@18.675,8 18.675,8.05 19.125,8.5 21.8,8.5 23,9.7 R38.2@23,11.3 23,11.866 22.766,12.1 21.534,12.1 21.3,12.334 21.3,13.7 21.8,14.2 28.2,14.2 40.16,26.16
TH3: C36.2 C37.2 IC1.6 J19.1 R38.1 | length 54.7
  Top Layer w0.3: 39.625,26.525 39.625,27.182 41.003,28.56 41.274,28.56 41.927,29.213 41.927,29.599 C37.2@41.825,29.701 ; C37.2@41.811,30.111 41.811,29.911 41.925,29.797 45.847,29.797 IC1.6@46.639,30.589
  Top Layer w0.4: J19.1@13.783,2.983 13.783,5.517 12.925,6.375 C36.2@12.925,8 13.375,8 14.875,9.5 21.6,9.5 22.2,10.1 R38.1@22.2,11.3 21,11.3 20.8,11.499 20.6,11.7 20.6,13.9 21.5,14.8 27.9,14.8 39.625,26.525
THETA: IC6.19
TX_0: IC1.98 J5.5
TX_N: C40.2 IC19.20 J1.4 R46.1 | length 15.9
  Top Layer w0.2: J1.4@15.74,41.535 15.99,41.535 17.741,43.286 17.741,44.641 19.325,46.225 20,46.225 20.2,46.425 R46.1@20.2,46.5 C40.2@22.1,46.5 22.12,46.5 23.623,44.997 24.456,44.164 24.456,43.421 25.8,42.077 26.402,42.077 IC19.20@26.425,42.1
TX_P: C41.2 IC19.21 J1.6 R47.1 | length 16.1
  Top Layer w0.2: J1.6@15.74,38.995 15.99,38.995 18.195,41.2 18.195,43.503 19.392,44.7 20.15,44.7 R47.1@20.2,44.75 21.81,44.75 22.18,44.38 C41.2@22.2,44.38 23.462,44.38 24.002,43.84 24.002,43.233 25.612,41.623 26.402,41.623 IC19.21@26.425,41.6
USB_D_N: IC1.30 IC7.2 R6.1 | length 49.7
  Top Layer w0.2: R6.1@17.875,22.5 17.95,22.5 18.751,23.301 22.901,23.301 23.702,24.102 IC7.2@23.977,24.102 23.977,25.077 v2(24.3,25.4) ; v2(56.4,26.8) 56.4,26.743 56.2,26.543 IC1.30@57.458,25.285
  Bottom Layer w0.2: v2(24.3,25.4) 25.1,26.2 26.9,26.2 26.923,26.223 31.023,26.223 39.3,34.5 46.558,34.5 54.708,26.35 55.511,26.35 55.808,26.647 56.247,26.647 v2(56.4,26.8)
USB_D_P: IC1.29 IC7.3 R7.1 R35.1 | length 48.6
  Top Layer w0.2: R7.1@17.875,23.9 17.877,23.902 21.627,23.902 IC7.3@21.827,24.102 21.827,24.927 v2(22.3,25.4) ; v2(55.2,27.1) 55.353,26.947 55.353,26.683 IC1.29@57.104,24.932
  Bottom Layer w0.2: v2(22.3,25.4) 23.6,26.7 26.9,26.7 26.923,26.677 30.835,26.677 39.112,34.954 46.746,34.954 54.534,27.166 55.134,27.166 v2(55.2,27.1)
USB_N: J9.2 R6.2 | length 4.8
  Top Layer w0.2: J9.2@12,22.625 16.6,22.625 R6.2@16.725,22.5
USB_P: J9.3 R7.2 | length 4.7
  Top Layer w0.2: J9.3@12,23.875 16.7,23.875 R7.2@16.725,23.9
V_5IN: D7.1 J20.4
V_USB: D5.1 IC7.4 J9.1 | length 12.2
  Top Layer w1: J9.1@12,20.125 12.85,20.125 14.575,18.4 D5.1@17.451,18.4 ; D5.1@17.6,18.5 18,18.5 18.35,18.85 18.35,19.25 21.302,22.202 IC7.4@21.827,22.202
VBB: A2.8 C10_STEP1.2 C10_STEP2.2 C10_STEP3.2 C10_STEP4.2 C10_STEP5.2 C11_STEP1.2 C11_STEP2.2 C11_STEP3.2 C11_STEP4.2 C11_STEP5.2 C12_STEP1.1 C12_STEP2.1 C12_STEP3.1 C12_STEP4.1 C12_STEP5.1 C13_STEP1.2 C13_STEP2.2 C13_STEP3.2 C13_STEP4.2 C13_STEP5.2 C28.1 C51.1 C52.2 C54.2 C55.2 C56.2 C68.2 C69.2 D4.2 D6.2 D14.2 D15.2 IC2_STEP1.16 IC2_STEP1.21 IC2_STEP2.16 IC2_STEP2.21 IC2_STEP3.16 IC2_STEP3.21 IC2_STEP4.16 IC2_STEP4.21 IC2_STEP5.16 IC2_STEP5.21 J21.1 J22.1 J30.2 Q1.1 Q1.2 Q1.3 | length 11.7
  Top Layer w0.8: C55.2@85.471,15.026 85.521,15.076 86.301,15.076 86.426,15.201 87.126,15.201 C69.2@87.376,15.451 87.427,15.4 88.531,15.4 89,14.931 89,12.041 89.263,11.778 89.713,11.328 D14.2@89.713,11.303 89.713,10.828 89.008,10.123 89.008,8.179 J21.1@88.731,7.902
VBB_FET: C57.2 C67.2 C83.1 D21.2 D37.2 D38.2 J26.1 J30.1 Q2.1 Q2.2 Q2.3
VBB_IN: J20.1 J28.1 Q1.5
VLIM: J3.1 J10.1 J11.1 J12.1 J13.1 J14.1 R19.2 R20.2 R21.1 R23.1 R25.1 R27.1 R29.1 R31.1 | length 125.8
  Top Layer w0.5: R19.2@38.055,11.527 R20.2@40.113,11.527 40.973,11.527 41.1,11.4 v2(41.3,11.4) 42.3,12.4 v2@48.5,12.4 ; R21.1@40.5,7.85 40.5,2.98 J3.1@40.58,2.9 ; R23.1@47.2,8.151 47.2,7.726 48.54,6.386 J10.1@48.54,2.9 ; v2(48.5,12.3) v2@48.5,12.4 ; R25.1@55.3,8.151 56.54,6.911 J11.1@56.54,2.9 ; v2(56.5,12.5) v2@56.5,12.4 ; R27.1@63.5,8.151 64.54,7.111 J12.1@64.54,2.9 ; R29.1@71.4,8.151 72.54,7.011 J13.1@72.54,2.9 ; J14.1@80.58,2.9 80.58,5.721 78.151,8.15 R31.1@77.2,8.15 77.25,8.15 77.725,8.625 77.841,8.625 78.075,8.859 78.075,10.041 76.616,11.5 v2(72.2,11.5) 68.7,11.5 67.8,12.4 v2(63.3,12.4) v2@56.5,12.4 ; v2@48.5,12.4 v2@56.5,12.4
  Bottom Layer w0.5: J3.1@40.58,2.9 40.58,10.545 41.3,11.265 v2(41.3,11.4) ; v2(48.5,12.3) 48.54,12.26 J10.1@48.54,2.9 ; v2(56.5,12.5) 56.54,12.46 J11.1@56.54,2.9 ; v2(63.3,12.4) 63.325,12.375 63.325,11.306 64.54,10.091 J12.1@64.54,2.9 ; v2(72.2,11.5) 72.54,11.16 J13.1@72.54,2.9
ZETA: IC6.9
pads on no net: A2.1 A2.3 D4.3 D37.3 IC1.13 IC1.16 IC1.18 IC5.14 IC6.14 IC18.1 J1.M J8.1 J8.8 J9.M J28.3 J28.M S3.3 S3.4 Y2.2 Y2.4

## Polygon pours and split planes (outlines as drawn)
SGND on Layer 1 "SGND_L02_P008" (solid, pour order 8): 0,51.4 0,68 0.5,68.5 15.8,68.5 20.5,63.8 36,63.8 43.2,56.6 43.2,51.4
SGND on Layer 1 "SGND_L02_P006" (solid, pour order 6): 42.4,34.1 44.6,34.1 52.9,25.8 64.9,25.8 66.6,27.5 66.6,37.2 58.5,45.3 51,45.3 42.4,36.7
SGND on Layer 1 "SGND_L02_P004" (solid, pour order 4): 34.1,0.3 34.1,12.3 45.7,23.9 50.1,23.9 52.6,26.4 59.4,26.4 66.1,19.7 69.9,19.7 82.2,7.4 82.2,0.3
SGND on Layer 1 "SGND_L02_P003" (solid, pour order 3): 0,12.7 0,50.5 28.6,50.5 30.4,48.7 36.7,48.7 42.4,43 42.4,30.8 39.1,27.5 27.1,15.5 23.8,15.5 21,12.7
AGND on Layer 1 "AGND_L02_P001" (solid, pour order 1): 9.9,0.1 9.9,9.8 20.7,9.8 20.7,15 25.8,15 39.8,29 39.8,30.5 42.4,33.1 44.128,33.1 51.589,25.639 50.2,24.4 45.5,24.4 33.4,12.3 33.4,0
no net on Layer 1 "NONET_L02_P000" (solid, shelved, pour order 0): 0,0 129.6,0 129.6,76.4 0,76.4
SGND on Top Layer "SGND_L01_P005" (solid, pour order 5): 28.1,38.2 27.4,37.5 27.4,29.8 28.1,29.1 30.6,29.1 31.3,29.8 31.3,37.4 30.5,38.2
SGND on Top Layer "SGND_L01_P002" (solid, pour order 2): 49.2,22.4 47.6,24 45.9,24 44,22.1 44,19.9 48.3,15.6 50.1,15.6 52.7,18.4 52.7,19 50.4,21.3
PGND on Bottom Layer "PGND_L04_P009" (solid, pour order 9): 83.4,0.3 83.4,7.9 74.9,16.4 74.9,29 78.3,32.4 78.3,40.3 83.6,45.6 83.6,49.5 97,62.9 127.151,62.9 129.7,60.351 129.7,0.4

## Keep-outs
Keep-Out Layer:
  the board outline again, w0.254